# KiCad board 2 - CPU and core components (Rev 3).kicad_pcb (continued)
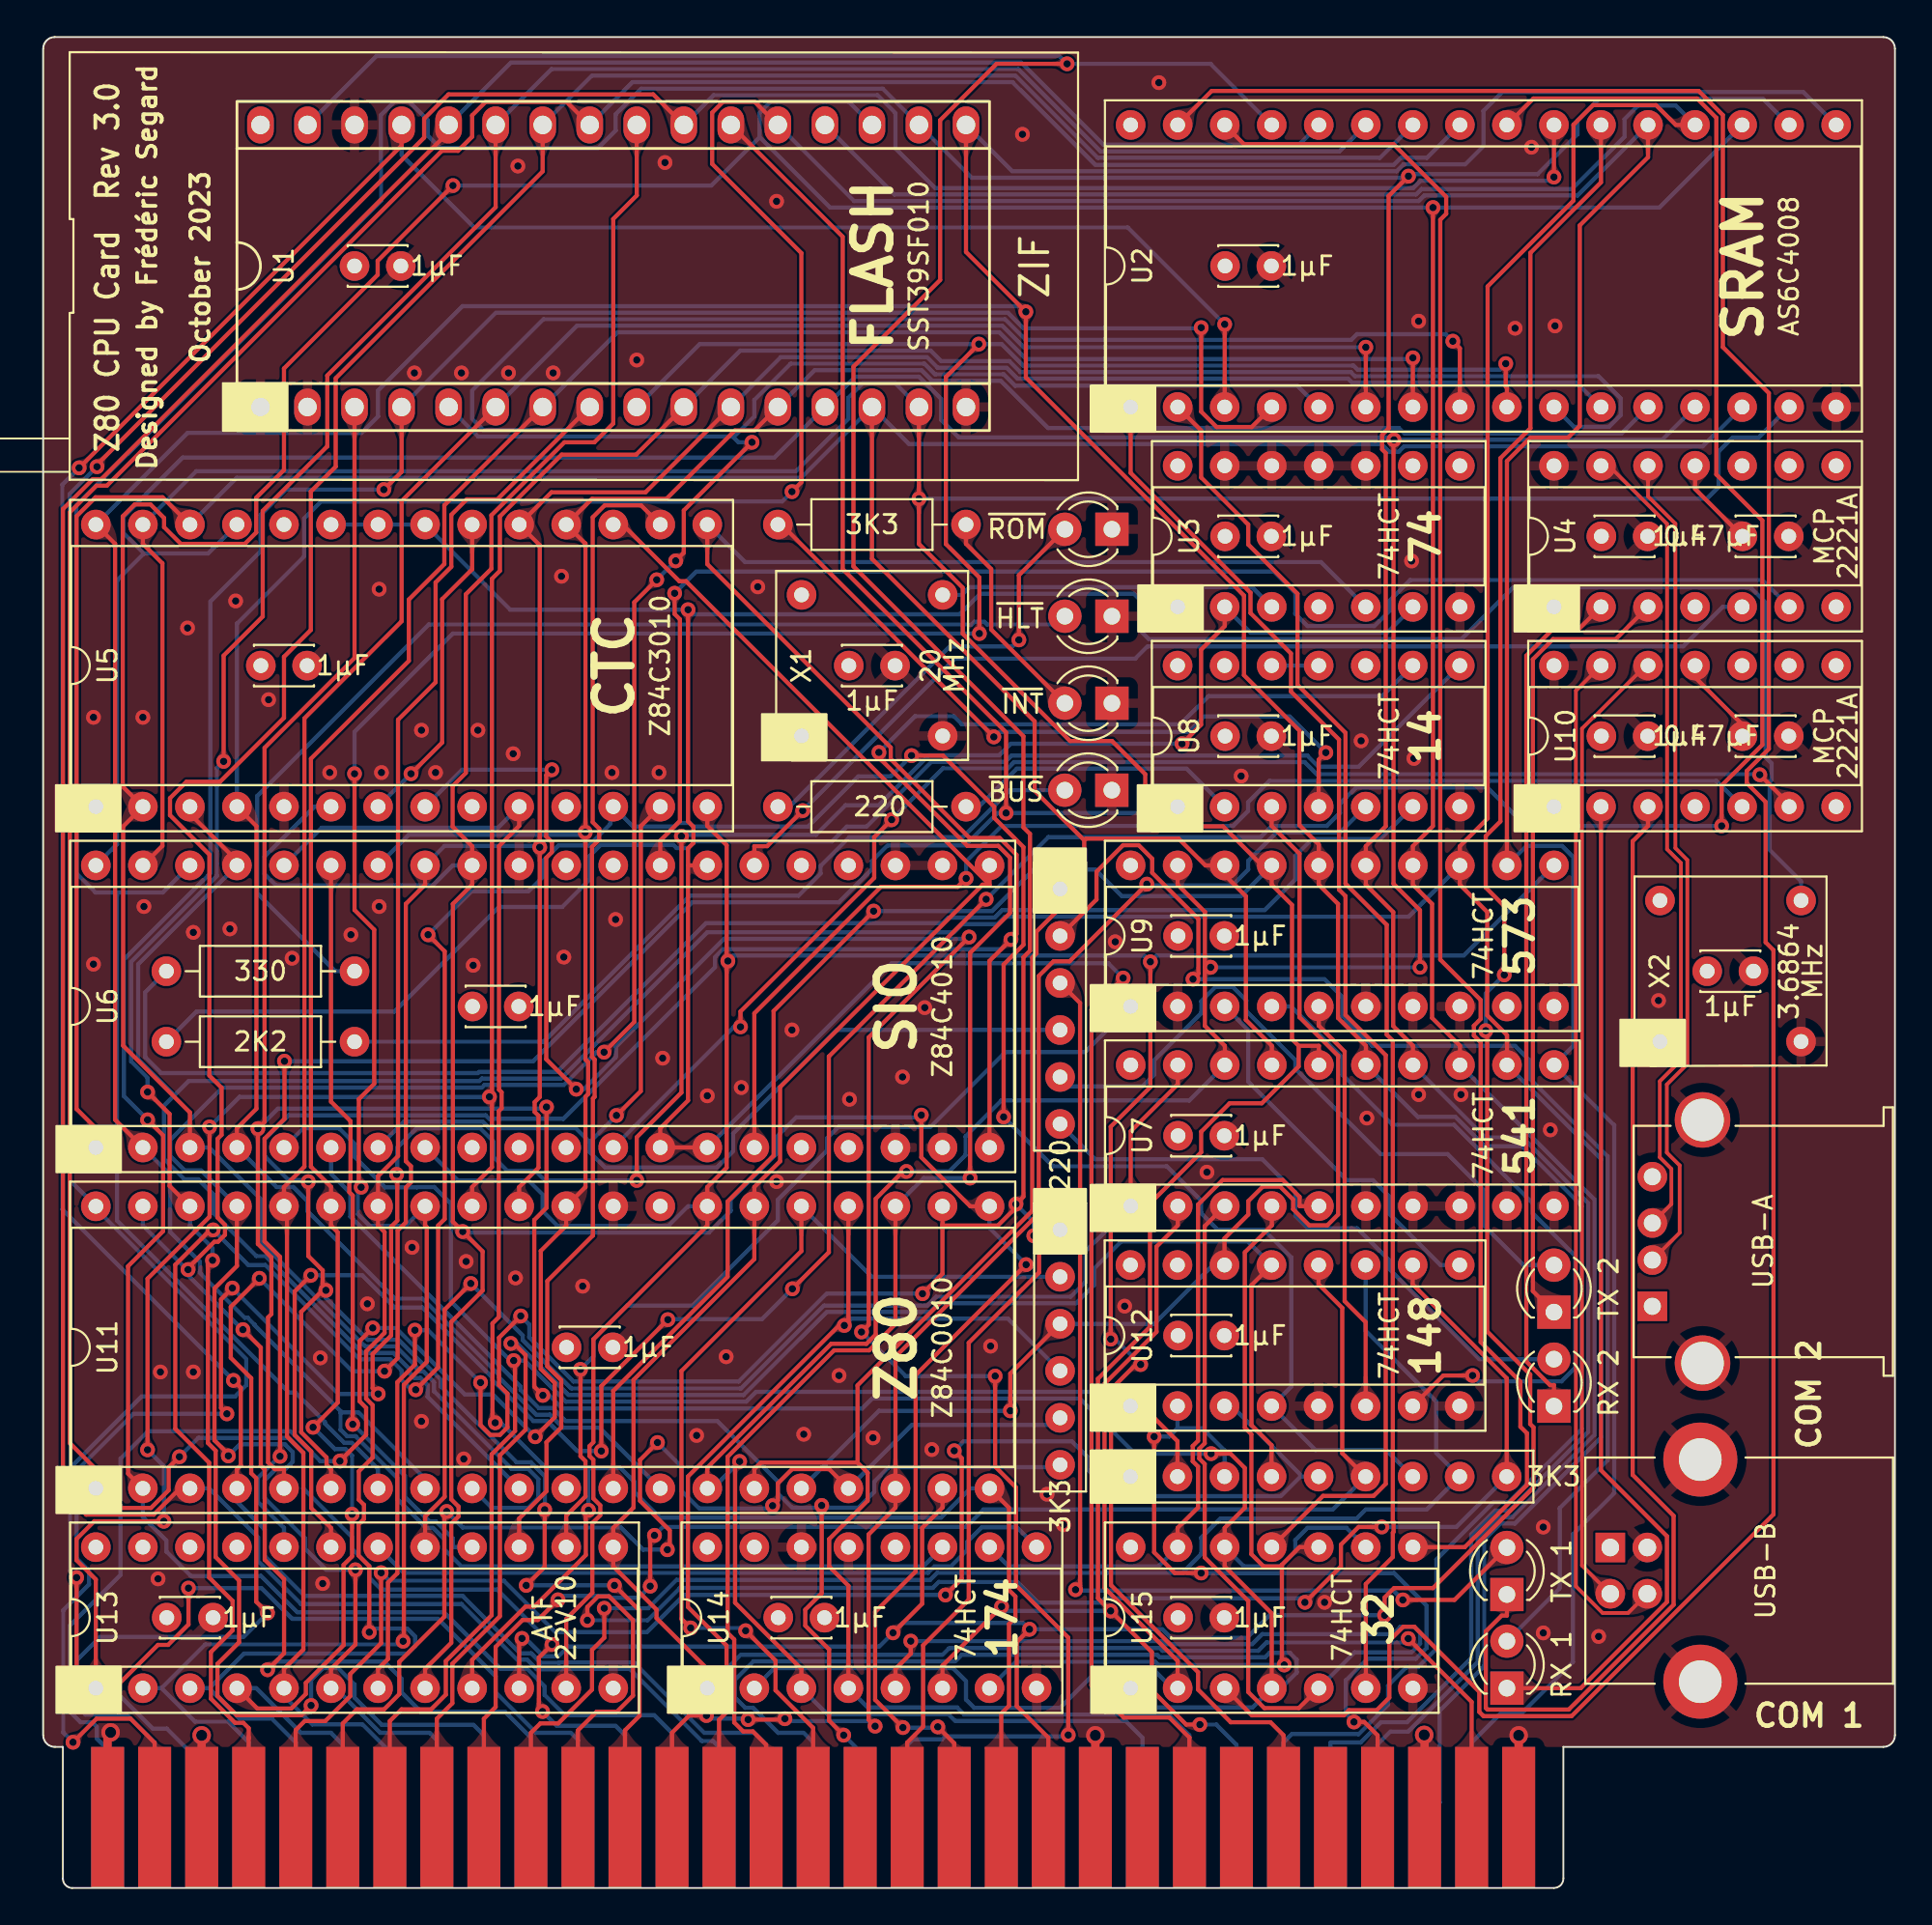
[diagram p0: board, top side]
## Routing (per net, layer and track width the routed paths; a pad name or vN(x,y) marks a point on that pad's centre or on a via; arc(x,y) is an arc through that point)
+5V: length 570.9
  Top w0.45: 8.56,6.03 J3.60 8.56,6.03 ; 8.56,6.03 v1(8.56,8.25) ; 74.6,6.03 J3.34 74.6,6.03 ; 74.6,6.03 74.6,8.25 v1(74.58,8.27)
  In2.Cu w0.45: 1.19,42.93 1.87,42.25 17.81,42.25 23.18,47.62 ; 1.19,42.93 1.19,24.13 ; 1.19,42.93 1.19,70.87 ; 84.12,42.54 X2.1 ; 84.12,42.54 84.12,50.16 ; 84.12,42.54 84.12,24.89 81.97,22.73 81.97,10.92 80.31,9.27 75.49,9.27 ; 2.84,18.41 2.86,18.41 6.67,14.6 ; 2.84,18.41 2.84,15.49 4.23,14.11 4.23,9.91 4.24,9.91 4.24,9.78 5.77,8.25 8.55,8.25 v1(8.56,8.25) 31.79,8.25 33.58,10.03 33.58,12.57 ; 2.84,18.41 1.19,20.07 1.19,24.13 ; 58.72,18.41 58.72,17.16 61.28,14.6 ; 58.72,18.41 58.72,18.03 53.27,12.57 33.58,12.57 ; 58.72,18.41 60.62,20.31 60.62,20.32 ; 84.12,50.16 X2.8 87.31,52.08 C14.1 ; 84.12,50.16 84.12,55.88 81.58,58.42 ; 56.69,52.2 RN1.1 ; 56.69,52.2 56.69,55.37 ; 56.69,52.2 56.69,52.07 ; 59.36,67.31 61.26,69.21 ; 59.36,67.31 59.36,64.14 ; 59.36,67.31 59.36,74.93 ; 56.69,55.37 54.66,57.4 53.77,57.4 50.85,60.32 42.87,60.32 X1.1 40.95,68.59 43.5,66.04 ; 56.69,55.37 59.36,58.04 59.36,64.14 ; 1.19,24.13 1.49,24.42 6.34,24.42 6.64,24.13 25.7,24.13 28.24,21.59 28.26,21.61 28.26,29.21 ; 59.36,64.14 U8.14 ; 68.88,69.21 67.36,67.69 65.45,67.69 U8.13 U8.14 ; 60.62,20.32 RN3.1 ; 60.62,20.32 74.85,20.32 76.25,18.92 76.25,10.03 75.49,9.27 ; 60.62,20.32 57.96,20.32 56.69,21.59 56.69,31.63 ; 1.19,70.87 1.03,71.03 1.03,84.54 4.11,87.63 C1.1 ; 1.19,70.87 10.21,70.87 13,73.66 13,67.29 C3.1 ; U8.14 61.26,64.79 63.82,62.23 ; 33.58,12.57 33.58,16.13 35.86,18.41 39.67,14.6 39.69,14.6 ; 81.58,58.42 81.58,59.67 84.14,62.23 ; 81.58,58.42 79.3,60.71 79.3,66.93 81.58,69.21 81.58,70.46 84.14,73.02 ; 56.69,31.63 56.69,33.78 ; 56.69,31.63 U12.16 58.71,32.41 61.28,29.84 ; 56.69,33.78 RN2.1 ; 56.69,33.78 56.69,42.42 ; 75.49,9.27 74.58,8.36 v1(74.58,8.27) ; 63.82,87.63 58.72,92.73 58.72,95.25 58.6,95.25 56.69,93.34 56.69,78.49 59.36,75.82 59.36,74.93 ; 61.28,40.64 58.73,43.19 U7.20 56.69,42.42 ; 59.36,74.93 61.26,76.83 61.26,75.58 63.82,73.02 ; 56.69,42.42 56.69,52.07 ; 56.69,52.07 58.72,54.1 58.72,53.99 61.28,51.43
GND: length 865.9
  Top w0.45: 56.82,6.03 v1(56.82,8.25) ; 56.82,6.03 J3.41 56.82,6.03 ; 3.48,6.03 3.48,8.25 3.64,8.41 v1(3.64,8.41) ; 3.48,6.03 J3.62 3.48,6.03 ; 79.68,6.03 J3.32 79.68,6.03 ; 79.68,6.03 v1(79.68,8.25)
  In1.Cu w0.45: 26.74,12.56 7.66,12.56 6.65,11.56 6.65,10.03 5.03,8.41 v1(3.64,8.41) 4.11,8.88 4.11,33.4 ; 26.74,12.56 26.95,12.36 51.65,12.36 51.87,12.57 ; 26.74,12.56 11.22,12.56 9.17,14.6 ; 89.49,15.53 J1.4 ; 89.49,15.53 89.49,23.14 J1.5 89.61,23.27 89.61,35.81 ; 89.49,15.53 89.49,11.14 87.23,8.89 80.31,8.89 79.68,8.25 v1(79.68,8.25) 79.09,8.25 78.24,9.1 ; 4.11,33.4 5.38,34.67 19.86,34.67 v2(19.92,34.61) 19.98,34.67 28.63,34.67 30.78,36.83 ; 4.11,33.4 4.11,51.69 ; C2.2 89.2,87.63 96.82,80.01 95.55,78.74 95.55,75.82 ; 77.9,36.84 U7.10 ; 77.9,36.84 77.94,36.8 77.94,24.91 77.79,24.76 ; 77.9,36.84 U7.6 ; U7.10 83.17,38.42 86.9,38.42 ; U7.10 77.79,40.64 63.78,40.64 ; 48.56,47.62 48.56,40 46.02,40 ; 48.56,47.62 47.67,47.62 v2(47.61,47.56) 47.54,47.62 33.32,47.62 25.7,55.24 25.68,55.22 ; 48.56,47.62 48.56,55.24 U6.23 ; 48.56,47.62 56.69,47.62 56.82,47.5 ; 63.78,29.84 72.68,29.84 74.72,27.81 ; C5.2 72.69,73.02 ; 72.69,73.02 73.9,71.82 v2(73.9,71.69) 74.03,71.69 78.92,66.8 ; 72.69,73.02 71.42,74.29 71.42,76.83 U3.11 U3.12 U3.13 63.8,76.83 60.38,73.41 D2.1 ; U12.5 70.65,27.81 74.72,27.81 ; 77.79,24.76 77.33,24.76 74.72,27.37 74.72,27.81 ; 77.79,24.76 77.79,9.54 ; J2.5 87.71,41.49 84.38,44.83 ; J2.5 93.84,45.73 X2.4 94.93,46.96 C14.2 ; J2.5 89.61,35.81 ; 77.79,9.54 76.54,10.79 73.96,10.79 70.15,14.6 63.78,14.6 ; 77.79,9.54 78.24,9.1 ; 77.79,9.54 78.24,9.1 ; 78.92,56.9 74.79,61.02 v2(74.02,61.02) 74.02,61.79 72.78,63.03 67.12,63.03 C6.2 ; 78.92,56.9 78.92,66.8 ; 78.92,56.9 82.6,56.9 84.38,55.12 84.38,44.83 ; 4.11,51.69 4.11,59.18 ; 4.11,51.69 5.44,53.02 v2(5.44,53.02) 5.45,53.02 5.51,53.09 18.08,53.09 v2(18.14,53.02) 18.21,53.09 23.55,53.09 25.68,55.22 ; 4.11,59.18 4.11,74.29 9.83,80.01 U1.1 U1.2 21.89,87.63 ; 4.11,59.18 4.88,59.94 11.48,59.94 13,58.42 13,64.79 C3.2 ; C1.2 21.89,87.63 ; 21.89,87.63 24.43,87.63 ; 95.55,75.82 95.55,63.52 94.26,62.23 ; 95.55,75.82 94.26,74.53 94.26,73.02 ; 56.82,55.12 56.82,58.42 57.71,59.31 D2.1 ; 56.82,55.12 56.82,47.5 ; 56.82,55.12 49.7,62.24 X1.4 48.57,63.47 46,66.04 ; 86.64,73.02 86.03,73.02 82.22,76.83 U4.14 ; 42.19,14.6 47.29,14.6 ; 47.29,14.6 49.83,14.6 51.87,12.57 ; 47.29,14.6 43.48,18.41 40.94,18.41 ; 84.38,44.83 81.58,47.62 ; 30.76,29.21 30.78,29.23 30.78,36.83 ; 89.61,35.81 89.51,35.81 86.9,38.42 ; D2.1 57.71,75.43 53.14,80.01 U1.16 42.21,87.63 24.43,87.63 ; 56.82,47.5 56.82,29.21 ; 25.68,47.62 25.68,55.22 ; 86.64,62.23 86.03,62.23 82.22,66.04 U10.14 79.68,66.04 78.92,66.8 ; 51.87,12.57 53.64,10.79 55.04,10.79 56.82,9.02 ; 81.58,47.62 79.54,47.62 75.73,51.43 C13.2 ; 81.58,47.62 71.42,47.62 ; v1(56.82,8.25) 56.82,9.02 ; 56.82,9.02 56.82,29.21 ; 30.78,36.83 38.4,29.21 51.1,29.21 v2(51.16,29.27) 51.23,29.21 56.82,29.21 ; 24.43,87.63 U1.30 ; 86.9,38.42 86.9,38.78
  vias: v2(2.72,63.25) v2(2.72,49.91) v2(5.38,63.25) v2(6.2,16.7) v2(6.33,27.88) v2(7.8,68.07) v2(8.11,51.63) v2(8.11,27.88) v2(10.08,51.82) v2(10.4,69.53) v2(12.17,64.2) v2(13.44,50.23) v2(14.97,28.64) v2(15.09,16.45) v2(15.48,60.26) v2(16.62,51.5) v2(17.51,31.56) v2(18.14,70.17) v2(18.27,60.26) v2(20.05,81.85) v2(20.43,62.55) v2(20.43,25.21) v2(21.19,60.26) v2(22.59,81.85) v2(22.71,23.18) v2(22.84,33.85) v2(23.22,49.85) v2(23.48,62.55) v2(25.13,81.85) v2(25.38,61.28) v2(25.51,32.96) v2(25.64,93.03) v2(27.54,81.85) v2(27.99,70.87) v2(28.12,50.29) v2(29.13,32.51) v2(30.72,60.26) v2(30.91,52.32) v2(32.05,82.55) v2(33.26,60.26) v2(33.45,44.83) v2(33.58,93.22) v2(35.29,24.45) v2(35.86,42.8) v2(36.88,28.7) v2(37.7,43.24) v2(38.59,70.3) v2(39.61,91.12) v2(39.61,38.16) v2(40.44,46.36) v2(41.07,24.51) v2(42.98,27.69) v2(43.54,42.61) v2(44.81,24.32) v2(46.41,43.81) v2(47.99,23.69) v2(52.88,94.74) v2(54.21,21.27) v2(55.1,19.62) v2(57.89,51.12) v2(58.4,31.43) v2(60.25,97.54) v2(62.85,38.67) v2(64.69,60.07) v2(69.2,15.43) v2(71.17,61.98) v2(71.48,41.59) v2(74.28,84.65) v2(74.28,42.86) v2(76.56,42.86) v2(79.48,84.27) v2(80.37,94.04) v2(81.01,19.5) v2(81.01,13.78) v2(81.39,40.96) v2(81.64,84.39) v2(84,13.59) v2(87.23,47.94)
/CTC & SIO/D1+: length 55.2
  Top w0.2: U10.13 82.77,64.69 82.77,16.3 84.21,14.86 85.59,14.86 J1.3
/CTC & SIO/D1-: length 52.4
  Top w0.2: 86.66,66.04 86.54,66.04 83.75,63.26 83.72,63.26 83.1,62.64 83.1,17.42 J1.2
  Top w0.225: 86.66,66.04 U10.12
/CTC & SIO/D2+: length 44.8
  Top w0.2: 86.9,35.92 87.92,36.95 87.92,38.85 87.3,39.48 87.3,43.58 88.44,44.72 88.44,55.37 87.69,56.12 87.69,73.69 84.55,76.83 U4.13
  Top w0.225: 87.41,36.44 J2.3
/CTC & SIO/D2-: length 46
  Top w0.2: 86.66,76.83 86.66,75.18 88.14,73.71 88.14,56.18 88.79,55.54 88.79,44.52 87.68,43.41 87.68,39.73 88.37,39.04 88.37,35.4 J2.2
  Top w0.225: 86.66,76.01 86.66,76.01 U4.12
/Glue Logic/RBA15: length 55.4
  Top w0.225: U7.2 61.27,35.8 60.12,34.65 60.12,30.05 57.31,27.24 57.31,16.22 61.26,12.26 U15.2
  Bottom w0.225: U14.2 39.48,11.87 49.14,11.87 49.83,11.18 49.83,10.18 50.28,9.73 54.91,9.73 57.01,11.83 59.93,11.83 60.97,10.79 U15.2
/Glue Logic/RBA16: length 70.6
  Top w0.225: U15.5 67.81,9.72 65.95,9.72 65.07,10.59 65.07,15.51 62.72,17.86 62.72,22.91 62.43,23.2 62.43,23.73 62.72,24.02 62.72,35.75 U7.3 ; U14.5 46.02,11.83 46.85,12.66 v2(46.85,13.34)
  Bottom w0.225: U15.5 70.83,12.74 73.9,12.74 74.36,13.2 74.36,13.79 74.03,14.11 73.29,14.11 72.89,13.71 65.83,13.71 65.29,13.17 60.59,13.17 60.42,13.34 v2(46.85,13.34)
/Glue Logic/RBA17: length 45.9
  Top w0.225: 66.89,17.37 66.89,12.17 v2(67.02,12.05) ; 66.89,17.37 66.89,17.46 67.85,18.41 U15.10 ; 66.89,17.37 65.91,17.37 65.24,18.03 65.24,24.51 64.89,24.87 64.89,34.34 66.35,35.8 U7.4
  Bottom w0.225: v2(67.02,12.05) 60.22,12.05 60.04,12.22 52.53,12.22 U14.7
/Glue Logic/RBA18: length 38.2
  Top w0.225: U7.5 67.85,36.84 67.85,37.34 66.94,38.25 63.69,38.25 62.37,36.92 62.37,24.16 62.08,23.88 62.08,23.05 62.37,22.77 62.37,20.56 61.26,19.45 U15.13
  Bottom w0.225: U14.10 52.15,17.37 60.22,17.37 U15.13
A0: length 181.9
  Top w0.225: U1.12 38.41,78.74 37.35,78.74 33.66,75.05 29.64,75.05 U5.18 29.26,72.64 ; 29.26,72.64 29.28,72.64 ; 29.26,72.64 29.28,72.62 29.28,56.87 ; 29.28,56.87 29.28,57.02 v2(29.27,57.03) ; 29.28,56.87 29.28,44.76 29.43,44.61 29.43,42.89 29.28,42.75 29.28,37.87 U11.30 28.24,35.79 26.87,34.42 26.87,28.04 27.62,27.29 27.62,25.43 v2(26.57,24.38) ; v2(16.03,23.06) 17.44,24.48 17.44,25.94 17.09,26.29 17.09,29.55 v2(17.8,30.26)
  Bottom w0.225: v2(29.27,57.03) 29.13,56.9 19.74,56.9 U6.34 ; U1.12 41.67,82 47.44,82 48.01,81.43 51.72,81.43 54.27,78.88 73.21,78.88 73.5,78.59 85.24,78.59 U2.12 ; v2(26.57,24.38) 24.28,26.67 22.77,26.67 20.18,29.25 20.06,29.25 19.05,30.26 v2(17.8,30.26) ; J3.31 3.48,7.49 2.9,8.07 2.9,8.7 2.65,8.95 2.01,8.95 1.44,9.53 1.44,14.18 4.17,16.91 4.17,23.19 5.66,24.67 13.35,24.67 14.96,23.06 v2(16.03,23.06)
A1: length 187.6
  Top w0.225: v2(12.12,14.86) 11.5,15.47 11.5,22.14 11.24,22.41 11.24,27.54 10.13,28.64 10.13,31.4 v2(11.67,32.94) ; U1.11 32.53,75.4 27.45,75.4 U5.19 26.82,72.55 v2(26.82,56.23) 26.82,42.73 26.54,42.46 26.54,41.93 26.75,41.72 26.75,38.91 25.7,37.87 U11.31 ; U6.33 20.62,54.21 19.59,53.17 19.59,39.27 19.86,38.99 19.86,38.12 19.59,37.85 19.59,35.96 19.14,35.52 19.14,28.63 v2(18.43,27.92)
  Bottom w0.225: v2(11.67,32.94) 16.69,27.92 v2(18.43,27.92) ; U2.11 82.81,81.32 70.69,81.32 70.47,81.54 52.61,81.54 52.03,82.13 48.3,82.13 47.73,82.71 39.83,82.71 U1.11 ; v2(26.82,56.23) 26.74,56.3 21.68,56.3 U6.33 ; v2(12.12,14.86) 10.82,13.57 3.07,13.57 1.8,12.3 1.8,9.85 2.28,9.37 4.51,9.37 6.02,7.86 J3.30
A2: length 171.3
  Top w0.225: v2(8.99,41.12) 8.99,36.26 5.64,32.92 v2(5.64,23.67) ; 24.24,42.74 24.24,38.94 23.16,37.87 U11.32 ; 24.24,42.74 v2(24.1,42.74) ; 24.24,42.74 24.24,70.73 24.66,71.16 24.66,74.1 28,77.44 32.02,77.44 U1.10 ; v2(6.52,19.81) 2.76,19.81 1.8,18.85 1.8,17.71 2.84,16.67 U13.1
  Bottom w0.225: U13.1 3.73,10.79 5.92,8.61 6.68,8.61 8.56,6.73 J3.29 ; U1.10 37.64,83.06 47.92,83.06 48.5,82.49 52.18,82.49 52.77,81.9 70.62,81.9 70.84,81.68 83.99,81.68 85.19,80.47 85.19,79.57 84.56,78.94 82.65,78.94 U2.10 ; v2(5.64,23.67) 6.52,22.79 v2(6.52,19.81) ; v2(8.99,41.12) 10.61,42.74 v2(24.1,42.74)
A3: length 184.9
  Top w0.225: v2(78.98,82.35) 78.98,81.11 79.04,81.05 U2.9 ; v2(17.17,37.86) 17.04,37.99 17.04,42.62 17.88,43.45 17.88,51.77 16.81,52.84 v2(16.81,60.2) ; U11.33 20.62,35.79 20.72,35.7 20.72,28.42 19.48,27.18 19.48,13.37 v2(19.44,13.33) ; v2(50.56,67.77) 50.56,70.8 48.75,72.61 48.75,81.63 v2(50.53,83.41)
  Bottom w0.225: 6.39,10.79 8.2,8.99 9.99,8.99 11.1,7.87 J3.28 ; 6.39,10.79 8.76,13.16 19.27,13.16 v2(19.44,13.33) ; 6.39,10.79 5.97,10.79 5.97,10.79 U13.2 ; U1.9 35.46,83.41 v2(50.53,83.41) 51.76,83.41 52.93,82.25 70.76,82.25 70.98,82.03 78.66,82.03 v2(78.98,82.35) ; v2(50.56,67.77) 22.13,67.77 16.81,62.46 v2(16.81,60.2) ; v2(17.17,37.86) 17,37.68 17,36.4 17.62,35.77 19.57,35.77 U11.33
A4: length 167.3
  Top w0.225: U2.8 76.5,83.18 v2(76.12,83.57) ; U1.8 24.53,75.02 22.88,75.02 22.04,74.19 22.04,71.38 21.19,70.53 21.19,65.14 19.16,63.11 19.16,39.54 18.08,38.46 U11.34 18.08,35.79 18.44,35.44 18.44,29.99 17.44,28.99 17.44,26.44 17.79,26.09 17.79,23.25 17.04,22.51 17.04,20.98 17.32,20.7 17.32,19.93 17.03,19.64 17.03,17.96 17.61,17.38 v2(17.61,13.82)
  Bottom w0.225: U13.3 8.96,10.79 8.97,10.78 ; J3.27 13.64,7.86 12.34,9.16 10.6,9.16 8.97,10.78 ; v2(17.61,13.82) 17.81,14.01 19.66,14.01 20.08,13.6 20.08,13.07 19.67,12.66 10.85,12.66 8.97,10.78 ; v2(76.12,83.57) 75.74,83.95 70.95,83.95 70.64,83.64 53.06,83.64 51.94,84.76 27.02,84.76 23.16,80.9 23.16,79.38 23.77,78.77 28.27,78.77 U1.8
A5: length 145.5
  Top w0.225: U2.7 73.96,81.05 v2(73.96,82.67) ; v2(16.68,20.19) 16.68,17.91 16.22,17.45 16.22,13.12 14.19,11.08 14.19,10.48 13.4,9.69 11.57,9.69 U13.4 ; v2(14.58,24.89) 15.91,26.22 15.91,35.43 15.54,35.79 U11.35 15.54,37.88 14.46,38.97 14.46,61.01 19.75,66.3 19.75,69.61 21.66,71.52 21.66,74.7 U1.7
  Bottom w0.225: v2(14.58,24.89) 15.76,23.7 16.34,23.7 16.68,23.37 v2(16.68,20.19) ; U13.4 11.5,10.79 13.92,8.38 15.54,8.38 16.18,7.75 J3.26 ; v2(73.96,82.67) 73.9,82.6 53.08,82.6 51.63,84.05 31.02,84.05 U1.7
A6: length 138.3
  Top w0.225: U13.5 13,11.83 14.05,12.88 14.05,23.51 13.17,24.4 13.17,36.67 U11.36 13,37.87 14.11,38.97 14.11,63.19 19.35,68.43 19.35,74.93 U1.6 ; v2(71.42,83.24) 71.42,81.05 U2.6
  Bottom w0.225: J3.25 18.72,7.36 17.25,8.83 14.54,8.83 13,10.37 U13.5 ; v2(71.42,83.24) 52.95,83.24 51.79,84.4 28.83,84.4 U1.6
A7: length 165.6
  Top w0.225: U13.6 15.54,11.83 16.86,13.15 v2(16.86,17.19) ; v2(10,23.35) 10,23.44 9.25,24.19 9.25,32.39 10.46,33.61 U11.37 ; v2(33.13,70.68) 31.92,69.46 31.92,46.79 v2(30.29,45.16) ; v2(38.28,78.11) 34.59,74.42 34.59,72.14 v2(34.16,71.7)
  Bottom w0.225: v2(34.16,71.7) v2(33.13,70.68) ; U2.5 67.74,81.16 52.49,81.16 51.87,81.78 48.16,81.78 47.58,82.35 40.37,82.35 38.4,80.39 38.4,79.5 37.32,78.42 37.24,78.42 ; U1.5 23.49,78.42 37.24,78.42 ; 37.24,78.42 37.55,78.11 v2(38.28,78.11) ; U13.6 15.8,10.79 18.21,8.38 20.87,8.38 21.26,8 J3.24 ; v2(30.29,45.16) 29.88,45.16 28.11,43.38 23.83,43.38 23.7,43.24 9.68,43.24 6.87,40.43 6.87,39.54 7.64,38.76 8.53,38.76 U11.37 ; v2(16.86,17.19) 15.28,17.19 14.15,18.32 14.15,18.88 11.95,21.08 11.95,22.01 12.59,22.65 13.1,22.65 13.47,23.03 13.47,23.56 13.06,23.97 10.62,23.97 v2(10,23.35)
A8: length 169.8
  Top w0.225: v2(9.15,33.91) 8.9,33.66 8.9,24.04 9.32,23.62 9.32,17.87 10.58,16.61 10.58,13.27 9.41,12.1 9.41,10.38 10.46,9.33 13.94,9.33 v2(14.47,9.86) ; v2(9.75,60.87) 9.75,66.58 11.86,68.69 11.86,74.4 15.34,77.88 15.34,81.71 24.43,90.81 U1.27 ; U11.38 6.83,37.93 6.83,41.81 v2(5.64,43)
  Bottom w0.225: v2(9.15,33.91) 9.15,34.57 7.92,35.79 U11.38 ; v2(9.75,60.87) 9.38,60.5 9.38,54.67 4.75,50.04 4.75,44.65 5.64,43.77 v2(5.64,43) ; J3.23 23.8,8.25 23.24,8.81 18.28,8.81 16.81,10.28 16.81,11 15.93,11.88 15.11,11.88 14.47,11.24 v2(14.47,9.86) ; U1.27 27.45,98.27 52.66,98.27 57.1,93.82 70,93.82 U2.27
A9: length 173.7
  Top w0.225: v2(7.82,33.41) 7.82,33.49 9.25,34.91 9.44,34.91 9.82,35.29 9.82,35.82 9.42,36.21 9.42,40.48 9.63,40.69 9.63,43.23 8.98,43.89 8.98,55.83 6.85,57.96 6.85,58.88 7.74,59.77 9.55,59.77 13,63.22 13,66.52 14.45,67.96 14.45,75.44 15.8,76.79 15.8,81.56 26.97,92.74 U1.26 ; v2(12.12,11.79) 13.01,12.68 13.01,16.68 11.96,17.73 11.96,22.6 11.75,22.81 11.75,29.2 v2(10.79,30.16)
  Bottom w0.225: v2(12.12,11.79) 12.56,12.23 18.42,12.23 19.35,11.3 19.35,10.57 20.4,9.52 24.94,9.52 26.34,8.12 J3.22 ; U2.26 72.19,93.47 56.95,93.47 52.5,97.91 29.64,97.91 U1.26 ; v2(10.79,30.16) 10.76,30.16 7.82,33.1 v2(7.82,33.41) 7.77,33.41 5.38,35.79 U11.39
A10: length 213.4
  Top w0.225: v2(1.81,16.77) 1.81,9.9 1.95,9.76 3.79,9.76 3.99,9.96 3.99,10.92 6.2,13.13 6.75,13.13 7.85,14.23 v2(7.85,16.2) ; U1.23 32.94,96.9 21.89,96.9 20.57,95.59 20.57,94.56 2.91,76.9 v2(2.91,76.79) ; U2.23 v2(81.58,92.43)
  Bottom w0.225: J3.21 28.88,8 28.49,8.38 26.62,8.38 24.43,10.56 24.43,11.43 21.32,14.54 13.45,14.54 11.79,16.2 v2(7.85,16.2) ; v2(2.91,76.79) 1.44,75.32 1.44,38.24 U11.40 2.84,36.7 10.96,28.58 10.96,27.16 10.36,26.56 5.32,26.56 1.45,22.69 1.45,17.12 v2(1.81,16.77) ; v2(81.58,92.43) 81.39,92.24 74.38,92.24 73.99,91.84 48.16,91.84 46.02,93.98 46.02,95.89 45.06,96.86 36.2,96.86 U1.23
A11: length 189.7
  Top w0.225: U1.25 28.27,96.49 23.89,96.49 23.16,95.77 23.16,94.62 22.4,93.85 21.53,93.85 3.44,75.76 2.88,75.76 1.44,74.32 1.44,24.04 2.84,22.63 U11.1 3.91,20.53 5.82,20.53 6.78,21.49 6.78,22.71 v2(7.36,23.3) ; v2(27.48,13.16) 26.77,12.45 26.77,9.73 v2(26.97,9.53)
  Bottom w0.225: U2.25 74.73,93.48 73.32,93.48 72.94,93.1 56.81,93.1 52.35,97.56 31.83,97.56 U1.25 ; J3.20 31.42,8.25 30.91,8.76 27.74,8.76 v2(26.97,9.53) ; v2(27.48,13.16) 24.51,16.13 18.25,16.13 17.61,16.77 17.61,17.39 16.67,18.33 16.67,18.96 14.04,21.59 14.04,23.48 13.21,24.32 8.38,24.32 v2(7.36,23.3)
A12: length 164.6
  Top w0.225: v2(5.64,41.5) 6.48,40.66 6.48,35.48 4.58,33.59 4.58,22.39 U11.2 ; v2(18.4,75.55) 19.35,76.51 U1.4 ; U2.4 65.26,78.93 63.37,78.93 62.53,79.76 v2(62.53,84.3)
  Bottom w0.225: v2(5.64,41.5) 4.37,42.77 4.37,50.17 9.03,54.82 9.03,69.5 11.73,72.21 11.73,74.17 13.11,75.55 v2(18.4,75.55) ; J3.19 33.96,8.38 33.01,9.33 28.17,9.33 27.08,10.42 27.08,10.89 26.14,11.83 24.71,11.83 21.65,14.9 13.73,14.9 11.77,16.86 7.97,16.86 6.65,18.18 6.65,18.77 5.38,20.04 U11.2 ; v2(62.53,84.3) 62.5,84.26 52.95,84.26 52.1,85.11 24.45,85.11 U1.4
A13: length 183.7
  Top w0.225: U11.3 7.39,21.59 5.97,20.17 2.32,20.17 1.07,21.42 1.07,74.5 2.68,76.11 3.14,76.11 21.89,94.87 U1.28
  Bottom w0.225: U2.28 67.82,94.18 57.25,94.18 52.82,98.62 25.26,98.62 U1.28 ; U11.3 8.96,21.59 11.61,18.94 11.61,17.65 13.91,15.35 22.59,15.35 25.61,12.33 26.13,12.33 26.65,11.81 28.01,11.81 28.03,11.83 31.67,11.83 35.57,7.94 36.18,7.94 36.5,7.62 J3.18 36.5,7.23
A14: length 179.2
  Top w0.225: U11.4 10.46,22.63 10.67,22.84 10.67,27.02 v2(10.27,27.42) ; U1.29 19.35,94.14 v2(1.94,76.72) ; U2.3 v2(63.8,84.48)
  Bottom w0.225: J3.17 39.04,7.74 38.4,8.38 35.71,8.38 31.9,12.19 27.88,12.19 27.86,12.17 26.87,12.17 26.35,12.69 25.75,12.69 22.66,15.78 14.12,15.78 11.96,17.93 11.96,19.37 10.46,20.87 U11.4 ; v2(1.94,76.72) 1.04,75.82 1.04,36.66 v2(10.27,27.42) ; v2(63.8,84.48) 58.57,89.71 23.27,89.71 19.35,93.63 U1.29